# KiCad board chastity.kicad_pcb (continued)
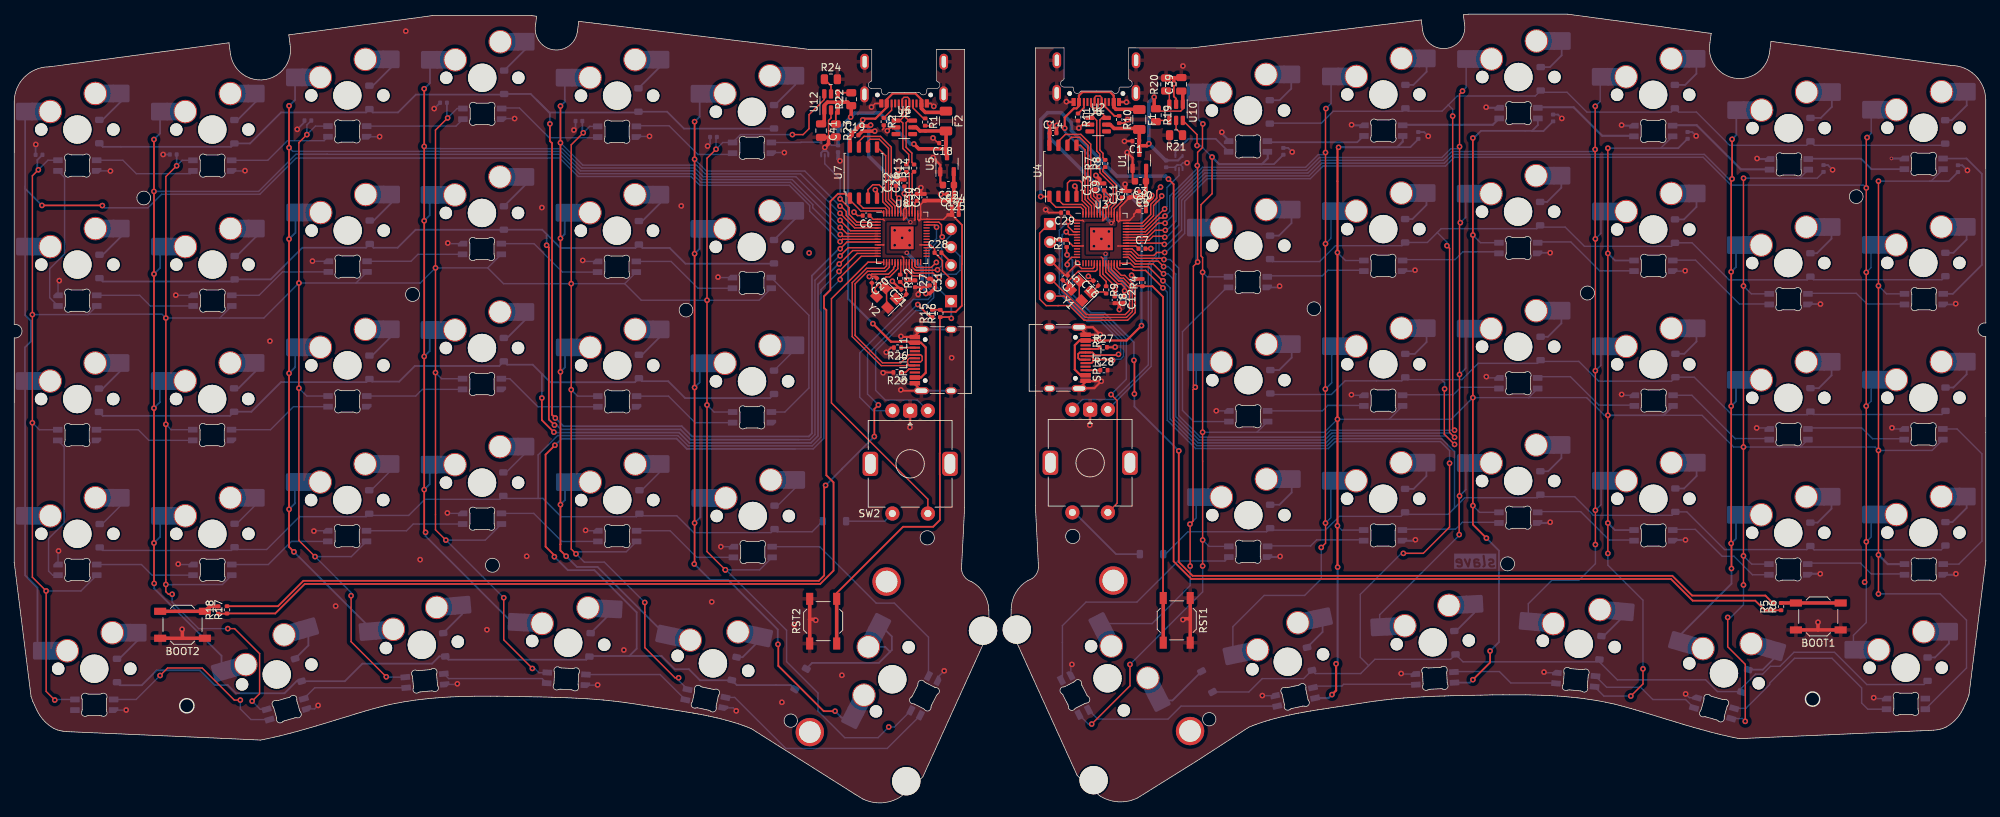
[diagram p0: board, top side]
## Routing (per net, layer and track width the routed paths; a pad name or vN(x,y) marks a point on that pad's centre or on a via; arc(x,y) is an arc through that point) (continued)
D_Split_L+: length 27.1
  Top w0.2: 123.23,76.21 123.23,75.51 122.65,74.93 120.16,74.93 118.4,73.17 118.4,65.89 122.25,62.03 124.83,62.03 125.96,63.16 SPLIT_L1.B6 127.62,63.16 127.85,62.94 127.85,62.39 127.62,62.16 SPLIT_L1.A6
D_Split_L-: length 27.3
  Top w0.2: U8.16 122.83,75.68 122.5,75.35 120.01,75.35 118,73.34 118,65.72 122.09,61.63 126.79,61.63 SPLIT_L1.B7 126.02,61.66 125.8,61.89 125.8,62.44 126.02,62.66 SPLIT_L1.A7
D_Split_R+: length 31.7
  Top w0.2: 149.65,80.1 148.53,80.1 v1(148.13,80.49)
  Top w0.25: 151.91,62.51 151.91,62.77 151.72,62.96 150.86,62.96 SPLIT_R1.A6 ; 151.91,62.51 151.91,62.2 151.7,61.98 SPLIT_R1.B6 ; 151.91,62.51 151.93,62.49 154.56,62.49 v1(154.66,62.4)
  Bottom w0.2: v1(154.66,62.4) 154.78,62.52 155.78,62.52 156.19,62.93 156.19,65.21 153.15,68.25 151.25,68.25 147.55,71.95 147.55,80.06 147.98,80.49 v1(148.13,80.49)
D_Split_R-: length 34
  Top w0.2: v1(148.4,81.92) 148.4,81.22 149.12,80.5 U3.5
  Top w0.25: SPLIT_R1.A7 150.03,62.48 149.81,62.7 149.81,63.27 150.03,63.48 SPLIT_R1.B7 151.83,63.48 152.19,63.12 155.39,63.12 v1(155.49,63.22)
  Bottom w0.2: v1(148.4,81.92) 148.38,81.92 147.15,80.7 147.15,71.79 151.09,67.85 152.98,67.85 155.79,65.04 155.79,63.52 v1(155.49,63.22)
LED_Data_3V3: length 13.1
  Top w0.2: v1(161.98,83.72) 161.94,83.72 159.12,80.9 U3.39
  Bottom w0.2: v1(161.98,83.72) 162.31,84.04 162.31,86.73 164,88.43 U9.2
LED_Data_3V3_L: length 14.2
  Top w0.2: v1(116.29,85.14) 117.55,83.88 117.55,83.56 117.55,83.56 117.55,82.97 118.67,81.85 U8.2
  Bottom w0.2: U11.2 114.13,90.08 116.29,87.92 v1(116.29,85.14)
LED_Data_5V: length 9.6
  Bottom w0.25: U9.4 163.5,91.78 165.32,93.6 169.17,93.6 170.93,91.84 171.05,91.84
LED_Data_5V_L: length 7.2
  Bottom w0.2: 106.65,93.17 106.6,93.12 LED1.3 110.76,93.08 110.8,93.13 U11.4
LED_Pow_5V: length 764.4
  Top w0.2: v1(224.39,92.28) v1(224.39,77.46) v1(224.39,54.64) v1(224.39,39.45) v1(224.39,35.16) ; v1(243.49,88.06) 243.48,88.04 v1(243.48,72.86) v1(243.48,50.16) v1(243.48,34.82) v1(243.48,30.71) ; v1(167.33,33.39) v1(167.33,37.06) 167.33,48.17 ; v1(166.55,92.66) 166.55,94.2 U10.6 ; v1(227.62,15.06) 229.33,16.77 v1(229.33,18.89) ; v1(243.73,11.49) 243.73,19.53 241.26,22 v1(241.26,26.14) ; v1(262.49,87.64) v1(262.49,72.89) v1(262.49,49.68) 262.49,29.46 v1(262.49,29.46) ; v1(168.66,91.03) 168.66,85.87 167.11,84.32 167.11,77.08 167.33,76.86 v1(167.33,74.8) v1(167.33,52.25) 167.33,48.17 ; v1(157.1,19.51) 157.1,16.5 v1(151.71,11.11)
  Top w0.25: v1(207.29,37.32) 205.39,39.22 v1(205.39,41.9) v1(205.39,57.12) v1(205.39,80.04) v1(205.39,93.72) ; v1(207.81,21.41) 207.81,19.79 v1(205.38,17.36)
  Top w0.3: v1(186.47,92.4) 186.32,92.24 v1(186.32,77.58) v1(186.32,54.07) v1(186.32,39.07) 186.32,33.25 v1(186.34,33.23) ; v1(186.13,19.6) 186.13,15.85 v1(185.54,15.26)
  Bottom w0.2: v1(262.49,87.64) 269.89,87.64 LED36.1 ; 232.25,54.64 232.26,54.63 237.65,54.63 242.11,50.16 v1(243.48,50.16) 251.52,50.16 ; LED49.1 168.24,36.15 v1(167.33,37.06) ; v1(167.33,74.8) 167.97,74.15 LED37.1 ; LED47.1 251.52,50.16 ; 251.52,50.16 262.01,50.16 v1(262.49,49.68) 270.03,49.68 LED48.1 ; LED55.1 151.25,11.11 v1(151.71,11.11) ; v1(186.32,39.07) 186.93,38.45 LED50.1 ; 193.6,54.07 202.34,54.07 v1(205.39,57.12) 213.22,57.12 ; 193.6,54.07 v1(186.32,54.07) 184.49,52.25 174.98,52.25 ; 193.6,54.07 LED44.1 ; v1(224.39,54.64) 223.89,54.64 221.41,57.12 213.22,57.12 ; v1(157.1,19.51) 167.33,29.74 v1(167.33,33.39) ; v1(205.39,80.04) 206.47,78.95 LED39.1 ; v1(262.49,72.89) 263.63,71.75 LED42.1 ; LED45.1 213.22,57.12 ; 251.41,88.06 253.87,88.06 C37.2 ; 251.41,88.06 v1(243.49,88.06) ; 251.41,88.06 LED35.1 ; v1(243.48,30.71) 243.48,27.93 241.69,26.14 v1(241.26,26.14) ; LED53.1 244.65,33.65 v1(243.48,34.82) ; v1(262.49,29.46) 271.18,29.46 274.89,25.75 274.89,19.01 LED60.1 ; 174.98,52.25 v1(167.33,52.25) ; 174.98,52.25 LED43.1 ; v1(168.66,91.03) 167.03,92.66 v1(166.55,92.66) ; LED51.1 206.33,40.95 v1(205.39,41.9) ; LED34.1 231.83,92.28 v1(224.39,92.28) ; LED58.1 223.83,15.06 v1(227.62,15.06) ; v1(224.39,35.16) 224.39,33.51 229.33,28.56 v1(229.33,18.89) ; LED41.1 244.59,71.75 v1(243.48,72.86) ; v1(186.32,77.58) 187.44,76.45 LED38.1 ; LED59.1 243.35,11.88 v1(243.73,11.49)
  Bottom w0.25: v1(224.39,77.46) 225.39,76.45 LED40.1 ; LED46.1 232.25,54.64 v1(224.39,54.64) ; 175.68,90.03 177.37,90.03 C34.2 ; 194.72,92.42 196.58,92.42 197.71,93.56 ; 269.72,87.64 272.4,87.64 C38.2 ; v1(205.39,93.72) 205.52,93.72 206.53,94.73 213.72,94.73 ; 213.72,94.73 213.75,94.7 215.32,94.7 C35.2 ; 213.72,94.73 214.53,95.54 LED33.1 ; LED57.1 204.97,16.95 v1(205.38,17.36) ; C36.2 234.3,92.28 231.83,92.28 ; v1(207.29,37.32) 209.06,35.55 209.06,22.65 v1(207.81,21.41) ; v1(224.39,39.45) 225.38,38.45 LED52.1
  Bottom w0.3: v1(168.66,91.03) 169.66,90.03 175.68,90.03 176.5,90.86 176.5,91.84 ; v1(186.13,19.6) 186.34,19.82 v1(186.34,33.23) ; 195.51,94.08 195.51,93.21 194.72,92.42 186.5,92.42 v1(186.47,92.4) ; LED56.1 185.06,14.78 v1(185.54,15.26) ; LED54.1 263.8,33.65 v1(262.49,34.96)
LED_Pow_5V_L: length 772.4
  Top w0.2: v1(5.71,14.5) 4.49,15.71 v1(4.49,29.88) 2.56,31.81 v1(2.56,53.58) v1(2.56,68.83) 2.56,88.4 v1(3.4,89.24) ; v1(79.1,35.1) 78.43,35.78 v1(78.43,58.24) v1(78.43,73.18) 78.43,92.76 v1(80.12,94.45) ; v1(30.07,24.56) 31.03,24.56 34.55,21.04 34.55,15.39 v1(33.5,14.34) ; v1(93.55,17.63) 93.04,17.63 88.8,21.87 88.8,28.23 v1(88.78,28.25) ; v1(42.36,34.72) 40.09,36.98 v1(40.09,58.45) v1(40.09,73.28) 40.09,93.08 v1(41.21,94.2) ; v1(72.96,18.95) 68.93,22.98 v1(68.93,28.92) ; v1(61.03,96.55) 59.32,94.83 v1(59.32,75.41) v1(59.32,60.65) 59.32,38.49 v1(60.77,37.04) ; U12.6 114.06,99.14 111.92,97 111.92,95.03 111.08,94.2 v1(109.57,94.2) ; v1(52.39,17.77) 47.43,22.72 v1(47.43,29.2) ; v1(22.24,29.41) 21.71,29.41 21.35,29.77 v1(21.35,30.79) v1(21.35,53.36) v1(21.35,68.35) 21.35,88.28 v1(22.87,89.8) ; v1(98.82,92.13) 97.55,90.87 v1(97.55,70.85) v1(97.55,56.09) 97.55,35.42 v1(100.12,32.85)
  Bottom w0.2: 44.18,95.39 42.41,95.39 v1(41.21,94.2) 41.21,95.56 C44.2 ; v1(47.43,29.2) 47.43,29.64 v1(42.36,34.72) 47.47,34.72 LED22.1 ; LED7.1 104.89,70.85 v1(97.55,70.85) 88.29,70.85 85.96,73.18 ; LED6.1 4.75,90.58 v1(3.4,89.24) ; 44.19,57.34 41.2,57.34 v1(40.09,58.45) ; v1(21.35,30.79) 21.38,30.76 22.21,30.76 22.22,30.77 29.31,30.77 LED23.1 ; v1(21.35,53.36) 22.11,52.6 LED17.1 ; LED25.1 123.93,10.7 v1(123.14,10.7) 121.63,9.19 116.94,9.19 113.17,12.95 113.17,15.49 108.75,19.9 108.75,24.32 100.22,32.85 v1(100.12,32.85) 104.96,32.85 LED19.1 ; v1(72.96,18.95) 73.28,18.95 73.89,18.34 75.02,18.34 LED27.1 ; v1(2.56,53.58) 3.54,52.59 LED18.1 ; LED12.1 10.46,68.89 ; 10.46,68.89 10.4,68.83 v1(2.56,68.83) ; 10.46,68.89 20.81,68.89 v1(21.35,68.35) 28.94,68.35 ; LED21.1 66.33,37.04 v1(60.77,37.04) 60.81,37.04 v1(68.93,28.92) ; LED11.1 28.94,68.35 ; 28.94,68.35 35.16,68.35 v1(40.09,73.28) 48.12,73.28 ; v1(61.03,96.55) 62.36,97.87 63.18,97.87 ; v1(33.5,14.34) 34.65,13.19 LED29.1 ; v1(78.43,58.24) 79.34,57.33 82.18,57.33 ; LED26.1 93.55,17.26 v1(93.55,17.63) ; LED9.1 66.67,75.41 ; 66.67,75.41 68.9,73.18 v1(78.43,73.18) 85.96,73.18 ; 66.67,75.41 v1(59.32,75.41) 57.18,73.28 48.12,73.28 ; LED20.1 86.17,35.39 79.39,35.39 v1(79.1,35.1) 80.27,33.93 83.1,33.93 v1(88.78,28.25) ; LED24.1 9.4,29.88 v1(4.49,29.88) ; v1(109.57,94.2) 102.26,94.2 LED1.1 99.77,93.08 v1(98.82,92.13) 98.82,93.74 C48.2 ; v1(59.32,60.65) 60.18,59.79 LED15.1 ; v1(97.55,56.09) 98.54,55.09 LED13.1 ; 48.12,73.28 LED10.1 ; 87.59,74.82 85.96,73.18 ; LED2.1 81.02,95.35 v1(80.12,94.45) ; v1(30.07,24.56) 25.96,24.56 22.24,28.28 v1(22.24,29.41) ; LED28.1 52.44,17.72 v1(52.39,17.77) ; 8.55,14.58 5.79,14.58 v1(5.71,14.5) ; LED5.1 23.64,90.57 v1(22.87,89.8)
  Bottom w0.25: v1(3.4,89.24) 3.26,89.38 3.26,90.62 3.98,91.34 C46.2 ; v1(22.87,89.8) 22.87,91.39 22.87,91.39 ; v1(61.03,96.55) 60.93,96.65 C43.2 ; 79.99,96.11 79.99,94.58 v1(80.12,94.45)
Q_CLK: length 14.3
  Top w0.2: U4.6 148.3,93.25 148.87,93.82 150.03,93.82 151.18,92.68 151.18,85.22 152.09,84.31 U3.52
Q_CLK_L: length 13.9
  Top w0.2: U7.6 120.21,93.24 120.52,93.54 121.81,93.54 123.1,92.26 123.1,85.04 124.03,84.12 U8.52
Q_IO0: length 11
  Top w0.2: U4.5 150.14,92.69 150.78,92.06 150.78,85.06 151.69,84.15 U3.53
Q_IO0_L: length 10.2
  Top w0.2: 123.63,83.09 123.63,83.95 122.7,84.88 122.7,91.22 U7.5
Q_IO1: length 5.7
  Top w0.2: U4.2 147.03,85 147.68,84.35 150.35,84.35 150.89,83.82 U3.55
Q_IO1_L: length 5.6
  Top w0.2: U8.55 122.83,83.62 122.62,83.83 119.56,83.83 118.94,84.44 U7.2
Q_IO2: length 9
  Top w0.2: U3.54 151.29,83.98 150.38,84.89 150.38,87.36 150.02,87.72 148.66,87.72 148.3,87.35 U4.3
Q_IO2_L: length 7.7
  Top w0.2: U7.3 120.21,86.44 120.89,87.12 121.79,87.12 122.29,86.62 122.29,84.72 123.23,83.79 123.23,83.09
Q_IO3: length 16.4
  Top w0.2: U4.7 147.03,93.25 148,94.22 150.2,94.22 151.58,92.84 151.58,85.39 152.49,84.48 U3.51
Q_IO3_L: length 16
  Top w0.2: U7.7 118.94,93.24 119.65,93.94 121.98,93.94 123.5,92.42 123.5,85.21 124.43,84.28 U8.51
Q_SEL: length 184.1
  Top w0.2: U4.1 145.76,84.89 146.7,83.95 150.19,83.95 150.49,83.65 U3.56
  Top w0.25: v1(144.53,85.46) 145.73,85.46 U4.1 ; v1(162.52,87.93) 163.25,87.21 163.25,34.05 165.74,31.56 233.28,31.56 236.34,28.5 245.14,28.5 246.5,27.14 R5.1 247.64,27.15 R6.1
  Bottom w0.5: v1(162.52,87.93) 162.1,88.35 155.27,88.35 148.86,94.76 148.86,95.86 147.42,97.29 145.51,97.29 144.53,96.31 v1(144.53,85.46)
Q_SEL_L: length 151.4
  Top w0.2: U7.1 117.67,84.97 119.21,83.43 122.09,83.43 U8.56
  Top w0.25: U7.1 117.05,85.86 115.99,85.86 114.91,84.78 114.91,72.28 114.02,71.39 114.02,69.79 114.35,69.46 114.35,46.18 115.36,45.18 115.36,32.74 113.48,30.85 40.91,30.85 36.75,26.7 R17.1 29.94,26.68 R18.1
RESET: length 88.2
  Top w0.2: 145.84,81.59 145.67,81.59 144.38,80.3 144.38,71.01 145.3,70.09 146.99,70.09 146.99,70.1 148.58,70.1 150.65,68.03 156.77,68.03 157.84,69.1 157.84,72.87 ; 157.84,72.87 156.36,74.35 155.88,74.35 154.89,75.34 U3.26 ; 157.84,72.87 158.79,72.87 R4.1
  Top w0.25: R4.1 160.26,72.82 161.76,71.32 161.76,28.9 RST1.2
  Top w0.5: RST1.2 RST1.2
RESET_L: length 69.3
  Top w0.2: v1(129.84,76.19) 129.12,75.48 127.03,75.48 126.83,75.68 U8.26
  Top w0.25: v1(131.95,68.3) 131.78,68.47 R16.1 130.34,68.42 130.34,49.32 130.32,49.3 130.32,46.28 130.34,46.26 130.34,39.87 129.39,38.92 125.16,38.92 115.83,29.59 115.83,28.78 RST2.2
  Top w0.5: RST2.2 RST2.2
  Bottom w0.2: v1(129.84,76.19) 129.27,75.62 129.27,73.35 J8.1
  Bottom w0.25: J8.1 131.95,70.67 v1(131.95,68.3)
rot A: length 41
  Top w0.2: v1(161.57,85.55) 161.57,85.36 160.42,84.21 160.42,82.77 158.95,81.3 U3.40
  Bottom w0.2: v1(161.57,85.55) 161.57,85.33 161.18,84.94 161.18,76.91 160.09,75.82 160.09,61.53 SW1.A
rot A_L: length 39
  Top w0.2: U8.41 130.19,81.85 130.57,81.48 130.57,79.88 v1(130.67,79.78)
  Bottom w0.2: v1(130.67,79.78) 128.79,77.9 128.79,73.18 129.46,72.51 129.46,71.21 127.66,69.42 127,69.42 121.29,63.71 121.29,58.15 122.66,56.78 127.16,56.78 SW2.A
rot B: length 47.5
  Top w0.2: v1(161.41,86.8) 160.87,86.27 160.87,85.22 160.02,84.37 160.02,82.93 158.79,81.7 U3.41
  Bottom w0.2: v1(161.41,86.8) 160.87,86.27 160.87,85.33 160.78,85.23 160.78,77.07 159.69,75.98 159.69,61.73 154.81,56.86 150.42,56.86 SW1.B
rot B_L: length 37.1
  Top w0.2: v1(129.87,81.15) 129.57,81.45 U8.40
  Bottom w0.2: v1(129.87,81.15) 129.87,79.54 128.39,78.06 128.39,72.93 129.06,72.26 129.06,71.38 128.65,70.97 126.6,70.97 119.05,63.42 119.05,57.18 120.94,55.29 SW2.B
row 0: length 217.5
  Top w0.2: v1(202.8,52.52) 202.54,52.79 v1(202.54,96.81) ; v1(161.89,76.59) 161.72,76.76 158.16,76.76 157.22,77.7 U3.31
  Bottom w0.2: 201.92,98.38 202.54,97.76 v1(202.54,96.81) ; 201.92,98.38 201.06,97.51 196.28,97.51 D5.1 195.47,97.49 185.72,97.49 184.04,95.81 176.86,95.81 D6.1 ; 201.92,98.38 203.18,99.64 214.16,99.64 D4.1 215.19,100.16 218.64,100.16 221.44,97.37 233.29,97.37 D3.1 234.36,97.37 236.86,97.37 241.54,92.69 252.36,92.69 252.91,93.25 253.47,92.69 271.65,92.69 D1.1 ; v1(161.89,76.59) 162.75,76.59 163.95,75.38 163.95,54.6 167,51.55 184.35,51.55 185.33,52.52 v1(202.8,52.52)
row 0_L: length 217.4
  Top w0.2: v1(116.3,78.11) 117.25,79.05 U8.9
  Top w0.25: v1(75.43,95.71) 75.43,93.29 75.73,92.99 75.73,54.7 v1(76.19,54.24)
  Bottom w0.25: D33.1 106.96,95.05 94.31,95.05 91.93,97.42 87.89,97.42 87.78,97.32 75.33,97.32 73.65,99 ; 73.65,99 72.73,99.92 D35.1 68.89,99.84 56.55,99.84 54.04,97.32 50.48,97.32 D36.1 49.54,97.32 37.57,97.32 33.2,92.95 D37.1 30.52,92.48 12.48,92.48 D38.1 ; 73.65,99 75.43,97.22 v1(75.43,95.71) ; v1(116.3,78.11) 116.12,78.11 112.32,74.31 112.32,52.08 111.88,51.65 95.44,51.65 93.99,53.09 77.34,53.09 v1(76.19,54.24)
row 1: length 200.9
  Top w0.2: v1(161.84,75.59) 161.07,76.36 157.99,76.36 157.06,77.3 U3.30 ; v1(202.8,51.53) 202.1,52.23 202.1,78.17 v1(201.73,78.54)
  Bottom w0.2: v1(202.8,51.53) 202.2,52.12 185.52,52.12 184.54,51.15 166.84,51.15 163.55,54.43 163.55,74.54 162.5,75.59 v1(161.84,75.59) ; 200.38,80.4 201.73,79.04 v1(201.73,78.54) ; 200.38,80.4 200.92,80.94 214.38,80.94 D10.1 215.1,81.16 218.39,81.16 221.09,78.45 233.35,78.45 233.84,78.95 236.24,78.95 241.46,73.72 252.45,73.72 D8.1 253.34,73.74 271.42,73.74 D7.1 ; 200.38,80.4 198.97,78.99 D11.1 195.39,78.54 186.04,78.54 183.81,76.3 177.18,76.3 176.83,76.65
row 1_L: length 198.7
  Top w0.2: U8.11 117.44,78.25 v1(116.29,77.11)
  Top w0.25: v1(74.96,78.6) 75.28,78.29 75.28,54.04 v1(76.07,53.25)
  Bottom w0.2: 110.43,51.2 112.04,51.2 112.75,51.91 112.75,73.66 116.19,77.11 v1(116.29,77.11)
  Bottom w0.25: 75.07,80.06 74.34,80.79 D41.1 68.94,80.79 56.52,80.79 53.98,78.25 50.59,78.25 D42.1 49.52,78.25 40.57,78.25 36.11,73.79 D43.1 30.74,73.49 12.47,73.49 D44.1 ; 75.07,80.06 74.96,79.96 v1(74.96,78.6) ; 75.07,80.06 76.91,78.22 87.46,78.22 87.96,78.71 88.45,78.22 92.29,78.22 94.51,76.01 106.94,76.01 D39.1 ; 110.43,51.2 95.25,51.2 93.81,52.64 76.99,52.64 76.39,53.25 v1(76.07,53.25)
row 2: length 181
  Top w0.2: v1(201.4,58.35) 201.36,58.31 201.36,51.96 v1(202.8,50.53) ; v1(161.83,74.59) 161.73,74.59 160.36,75.96 157.83,75.96 156.89,76.9 U3.29
  Bottom w0.2: 200.96,59.66 203.84,59.66 206.14,61.96 214.47,61.96 D16.1 215.09,62.23 220.3,62.23 223.09,59.44 233.35,59.44 233.91,60 236.56,60 241.84,54.72 252.48,54.72 D14.1 253.32,54.74 271.42,54.74 D13.1 ; 200.96,59.66 201.4,59.22 v1(201.4,58.35) ; 200.96,59.66 196.19,59.66 D17.1 195.37,59.49 191.8,59.49 191.8,59.49 187.39,59.49 185.47,57.56 177.01,57.56 D18.1 ; v1(161.83,74.59) 162.45,74.59 163.15,73.88 163.15,54.27 166.67,50.75 184.7,50.75 185.68,51.72 201.6,51.72 v1(202.8,50.53)
row 2_L: length 180.5
  Top w0.2: U8.12 118.06,77.85 v1(116.17,75.96)
  Top w0.25: v1(75.99,52.26) 74.3,53.95 v1(74.3,57.07)
  Bottom w0.25: v1(116.17,75.96) 116.05,75.96 113.17,73.08 113.17,51.73 112.19,50.75 95.07,50.75 93.62,52.19 76.23,52.19 76.17,52.26 v1(75.99,52.26) ; 74.36,60.41 75.48,59.29 87.4,59.29 D46.1 88.38,59.44 92.08,59.44 94.47,57.06 106.4,57.06 D45.1 ; 74.36,60.41 73.01,61.77 69.4,61.77 D47.1 68.29,61.58 56.41,61.58 54.21,59.38 50.39,59.38 D48.1 49.57,59.31 37.56,59.31 33.39,55.14 D49.1 30.38,54.55 12.48,54.55 D50.1 ; 74.36,60.41 74.3,60.35 v1(74.3,57.07)
row 3: length 196.1
  Top w0.2: v1(161.76,73.59) 161.69,73.59 159.73,75.56 157.66,75.56 157.16,76.06 U3.28
  Bottom w0.2: v1(161.76,73.59) 162.75,72.6 162.75,54.1 166.51,50.35 184.87,50.35 185.85,51.32 200.99,51.32 202.8,49.52 202.8,41.62 202.83,41.6 ; 202.83,41.6 201.9,40.67 196.13,40.67 D23.1 195.27,40.39 186.57,40.39 184.63,38.45 177.11,38.45 D24.1 176.33,38.22 165.25,38.22 162.09,35.06 D31.1 ; 202.83,41.6 204.24,43.01 214.45,43.01 D22.1 215.16,43.16 219.72,43.16 222.36,40.53 231.08,40.53 231.09,40.54 233.42,40.54 D21.1 235.51,41.02 240.83,35.7 252.4,35.7 D20.1 253.44,35.66 271.31,35.66 D19.1
row 3_L: length 188.2
  Top w0.2: U8.13 118.68,77.45 v1(116.14,74.9)
  Bottom w0.2: D57.1 12.46,35.58 30.57,35.58 D56.1 31.35,35.71 35.55,35.71 40.17,40.34 49.56,40.34 D55.1 50.23,40.51 55.55,40.51 57.82,42.79 68.38,42.79 D54.1 69.23,42.91 73.77,42.91 ; 73.77,42.91 73.77,49.04 76.5,51.77 93.44,51.77 94.89,50.32 112.36,50.32 113.6,51.56 113.6,72.35 116.14,74.89 v1(116.14,74.9) ; 73.77,42.91 74.45,42.91 77.02,40.34 87.61,40.34 D53.1 88.33,40.46 93.3,40.46 95.66,38.1 106.56,38.1 D52.1 107.44,38.21 112.35,38.21 D51.1
row 4: length 218.3
  Top w0.2: 157.59,75.07 157.61,75.05 159.29,75.05 v1(161.75,72.6) ; 157.59,75.07 157.59,75.07 157.37,75.28 155.53,75.28 155.29,75.53 U3.27 ; 157.59,75.07 157.69,75.07 ; v1(202.1,47.88) 202.1,38.88 198.4,35.18 v1(195.6,35.18)
  Bottom w0.2: D30.1 173.84,15.63 175.72,17.51 181.55,17.51 D29.1 183.19,18.23 189.58,18.23 190.7,19.35 ; v1(202.1,47.88) 202.1,49.65 200.83,50.92 194.97,50.92 ; 190.7,19.35 191.59,20.24 202.24,20.24 D28.1 203.99,19.89 222.87,19.89 D27.1 223.2,19.87 225.73,17.34 238.17,17.34 239.82,15.69 243.13,15.69 D26.1 ; 190.7,19.35 189.53,20.52 189.53,29.39 195.32,35.18 v1(195.6,35.18) ; v1(161.75,72.6) 162.35,71.99 162.35,53.93 166.34,49.95 185.03,49.95 186.01,50.92 194.95,50.92 ; D26.1 243.2,15.36 243.23,15.32 ; D26.1 243.2,16.17 245.18,18.15 246.19,18.15 247.29,19.25 248.62,19.25 250.6,21.23 256.3,21.23 260.85,16.68 268.89,16.68 D25.1
row 4_L: length 210.4
  Top w0.2: U8.14 119.27,77.05 116.3,74.08 v1(116.3,73.77)
  Top w0.25: v1(76.06,34.7) 76.06,34.88 74.81,36.12 74.81,49.09 v1(76.13,50.41)
  Bottom w0.2: v1(116.3,73.77) 114,71.47 114,51.39 112.5,49.9 109.67,49.9
  Bottom w0.25: v1(76.06,34.7) 77.95,32.8 81.7,32.8 87.64,26.85 87.64,21.74 86.61,20.7 ; D63.1 14.9,16.58 17.96,16.58 20.06,18.68 26.14,18.68 28.22,16.6 30.07,16.6 31.22,15.45 38.06,15.45 39.76,17.15 D62.1 46.55,17.15 49.03,19.63 58.83,19.63 59.85,20.65 D61.1 61.15,20.19 80.55,20.19 D60.1 81.07,20.7 86.61,20.7 ; 86.61,20.7 91.15,20.7 93,18.84 94.99,18.84 96.55,17.28 101.01,17.28 D59.1 101.74,16.6 109.33,16.6 D58.1 ; 109.94,49.9 94.72,49.9 93.27,51.34 77.08,51.34 76.15,50.41 v1(76.13,50.41)
SK6803_EN: length 2.1
  Top w0.2: U10.3 162.64,99.9 R20.1
SK6803_EN_L: length 2.1
  Top w0.2: 115.95,97.65 115.96,97.66
  Top w0.25: 115.96,97.66 115.69,97.39 R23.1
SK6803_NFAULT: length 2
  Top w0.2: U10.4 160.93,96.2 R19.2
SK6803_NFAULT_L: length 2
  Top w0.25: R22.2 116.12,100.1 115.96,99.93
Split_5v5_L: length 125.5
  Top w0.3: J2.A4 127.74,99.14 126.89,99.99 123.7,99.99 122.84,99.14 J2.A9 122.84,98.02 121.26,96.44 119.64,96.44 v1(119.47,96.27) ; SPLIT_R1.A9 150.14,60.28 149.34,61.08 149.34,64.52 150,65.18 SPLIT_R1.A4 156.64,65.18 v1(158.73,67.27) ; v1(147.92,95.1) 147.92,96.6 149.2,97.89 149.58,97.89 149.91,98.23 J6.A9 149.91,99.7 150.41,100.2 154.32,100.2 154.81,99.7 J6.A4 ; SPLIT_L1.A4 127.68,59.96 128.35,60.63 128.35,64.2 127.68,64.86 SPLIT_L1.A9 126.1,64.86 125.96,65 123.46,65 v1(120.91,67.55)
  Top w0.5: J2.A4 127.74,97.88 128.3,97.33 131.01,97.33 F2.1 ; J6.A4 154.81,98.08 155.14,97.76 158.38,97.76 158.42,97.72
  Bottom w0.3: v1(119.47,96.27) 117.42,94.22 117.42,71.04 v1(120.91,67.55) ; v1(147.92,95.1) 147.92,94.64 158.73,83.83 v1(158.73,67.27)
SWC: length 21.7
  Top w0.2: 145.84,73.97 150.98,68.83 156.44,68.83 157.04,69.43 157.04,72.54 156.03,73.55 155.55,73.55 154.09,75.01 U3.24
SWC_L: length 12.7
  Top w0.2: v1(130.25,74.08) 129.98,74.08 129.38,74.68 126.7,74.68 126.03,75.35 U8.24
  Bottom w0.2: v1(130.25,74.08) 130.66,74.5 132.61,74.5 133.18,75.07 133.18,77.06 J8.4
SWD: length 21.5
  Top w0.2: 145.84,71.43 147.81,71.43 150.81,68.43 156.61,68.43 157.44,69.27 157.44,72.71 156.2,73.95 155.71,73.95 154.49,75.18 U3.25
SWD_L: length 11
  Top w0.2: v1(130,75.14) 129.93,75.08 126.87,75.08 126.43,75.51 U8.25
  Bottom w0.2: v1(130,75.14) 130.6,75.74 130.6,78.72 131.91,80.02 J8.5
XIN: length 8.8
  Top w0.2: C15.2 148.75,72.58 Y1.3 148.34,72.78 148.34,73.45 149.81,74.92 152.24,74.92 152.49,75.17 U3.20
XIN_L: length 8.7
  Top w0.2: C20.2 120.77,72.03 Y2.3 121.21,71.59 121.21,72.6 122.75,74.13 123.27,74.13 124.43,75.29 U8.20
XOUT: length 3.6
  Top w0.2: R9.1 153.74,73.51 152.89,74.37 U3.21
XOUT_L: length 1.8
  Top w0.2: U8.21 124.83,74.55 R12.1
Net-(BOOT1-Pad2): length 8.4
  Top w0.5: BOOT1.2 BOOT1.2 248.79,28.18 R6.2
Net-(BOOT2-Pad2): length 8.5
  Top w0.5: BOOT2.2 BOOT2.2 27.54,27.7 R18.2
Net-(C16-Pad1): length 3.8
  Top w0.2: C16.1 151.74,72.01 Y1.1 153.53,72.01 R9.2
Net-(C21-Pad1): length 3.8
  Top w0.2: R12.2 125.54,72.64 125.57,72.64 125.61,72.6 125.61,71.7 C21.1 124.94,71.03 Y2.1
Net-(D1-A): length 5.8
  Bottom w0.25: MX1.2 274.92,98.32 272.83,96.23 D1.2
Net-(D2-A): length 5.7
  Bottom w0.25: MX2.2 255.93,98.1 254.37,96.55 D2.2
Net-(D3-A): length 5.8
  Bottom w0.25: MX3.2 236.86,102.78 235.28,101.2 D3.2
Net-(D4-A): length 5.7
  Bottom w0.25: MX4.2 217.89,105.37 216.24,103.71 D4.2
Net-(D5-A): length 5.6
  Bottom w0.25: MX5.2 198.87,103.06 197.01,101.2 D5.2
Net-(D6-A): length 5.7
  Bottom w0.25: MX6.2 179.81,100.68 178.18,99.04 D6.2
Net-(D7-A): length 5.6
  Bottom w0.25: 274.9,81.19 274.9,79.39 273.04,77.54 271.91,77.54
Net-(D8-A): length 5.5
  Bottom w0.25: 255.88,81.17 255.88,79.53 253.83,77.48 D8.2
Net-(D9-A): length 5.6
  Bottom w0.25: D9.2 235.1,82.25 236.87,84.01 MX9.2
Net-(D10-A): length 5.5
  Bottom w0.25: MX10.2 217.84,86.71 215.84,84.71 D10.2
Net-(D11-A): length 5.4
  Bottom w0.25: D11.2 196.88,82.29 198.85,84.26 198.85,85.84
Net-(D12-A): length 5.7
  Bottom w0.25: D12.2 178.08,79.95 179.85,81.73 MX12.2
Net-(D13-A): length 5.5
  Bottom w0.25: MX13.2 274.91,60.41 273.05,58.55 D13.2
Net-(D14-A): length 5.6
  Bottom w0.25: D14.2 254.09,58.45 255.89,60.25 MX14.2
Net-(D15-A): length 5.5
  Bottom w0.25: D15.2 235.15,63.3 236.87,65.02 MX15.2
Net-(D16-A): length 5.5
  Bottom w0.25: MX16.2 217.85,67.6 215.95,65.7 D16.2
Net-(D17-A): length 5.6
  Bottom w0.25: D17.2 197.2,63.29 198.87,64.96 MX17.2
Net-(D18-A): length 5.6
  Bottom w0.25: D18.2 178.12,61.01 179.87,62.76 MX18.2
Net-(D19-A): length 5.4
  Bottom w0.25: MX19.2 274.91,41.58 272.91,39.58 D19.2
Net-(D20-A): length 5.5
  Bottom w0.25: 255.88,43.15 255.88,41.47 253.92,39.51 D20.2
Net-(D21-A): length 5.6
  Bottom w0.25: D21.2 235.12,44.32 236.89,46.08 MX21.2
Net-(D22-A): length 5.6
  Bottom w0.25: D22.2 215.99,46.74 217.85,48.6 MX22.2
Net-(D23-A): length 5.6
  Bottom w0.25: MX23.2 198.84,46.07 197.03,44.26 D23.2
Net-(D24-A): length 5.6
  Bottom w0.25: D24.2 178.15,42.02 179.87,43.74 MX24.2
Net-(D25-A): length 5.5
  Bottom w0.25: MX25.2 272.42,22.47 270.45,20.5 D25.2
Net-(D26-A): length 5.5
  Bottom w0.25: D26.2 246.21,18.78 247.99,20.56 MX26.2
Net-(D27-A): length 5
  Bottom w0.25: D27.2 223.8,23.51 226.81,26.51 MX27.2
Net-(D28-A): length 5.1
  Bottom w0.25: D28.2 203.02,24.23 205.55,26.76 MX28.2
Net-(D29-A): length 5.1
  Bottom w0.25: D29.2 184.22,24.09 MX29.2
Net-(D30-A): length 7.7
  Bottom w0.25: D30.2 163.09,14.44 MX30.2
Net-(D31-A): length 11.9
  Bottom w0.25: D31.2 155.14,35.06 149.26,40.94 SW1.S1
Net-(D33-A): length 5.4
  Bottom w0.25: D33.2 107.11,98.36 109.97,101.22 MX31.2
Net-(D34-A): length 5.3
  Bottom w0.25: D34.2 90.98,103.81 MX32.2
Net-(D35-A): length 5.3
  Bottom w0.25: MX33.2 72,106.24 D35.2
Net-(D36-A): length 5.2
  Bottom w0.25: MX34.2 53,103.59 50.51,101.1 50.01,101.1
Net-(D37-A): length 5.2
  Bottom w0.25: D37.2 31.44,96.25 33.99,98.8 MX35.2
Net-(D38-A): length 5.2
  Bottom w0.25: D38.2 12.44,96.28 14.98,98.81 MX36.2
Net-(D39-A): length 5.3
  Bottom w0.25: MX37.2 109.95,82.31 D39.2
Net-(D40-A): length 5.2
  Bottom w0.25: D40.2 88.43,82.01 90.96,84.54 MX38.2
Net-(D41-A): length 5.4
  Bottom w0.25: MX39.2 71.95,87.1 D41.2
Net-(D42-A): length 5.2
  Bottom w0.25: D42.2 50.63,82.09 53.05,84.51 MX40.2
Net-(D43-A): length 5.4
  Bottom w0.25: MX41.2 34.01,79.78 31.02,76.79
Net-(D44-A): length 5.2
  Bottom w0.25: MX42.2 14.99,79.77 12.48,77.26 D44.2
Net-(D45-A): length 4.8
  Bottom w0.2: D45.2 109.98,63.93 MX43.2
Net-(D46-A): length 5.1
  Bottom w0.25: D46.2 88.4,63.16 91,65.75 MX44.2
Net-(D47-A): length 5.2
  Bottom w0.25: MX45.2 71.95,68.08 69.41,65.54 D47.2
Net-(D48-A): length 5.2
  Bottom w0.25: D48.2 50.4,63.05 53.01,65.66 MX46.2
Net-(D49-A): length 5.2
  Bottom w0.25: D49.2 31.58,58.44 33.96,60.82 MX47.2
Net-(D50-A): length 5.2
  Bottom w0.25: 14.95,62 14.95,60.89 12.47,58.4 D50.2
Net-(D51-A): length 7
  Bottom w0.2: D51.2 122.56,39.7 SW2.S1
Net-(D52-A): length 5.1
  Bottom w0.2: D52.2 107.48,41.89 110.08,44.5 MX49.2
Net-(D53-A): length 5.1
  Bottom w0.2: D53.2 88.34,44.06 91,46.72 MX50.2
Net-(D54-A): length 5.1
  Bottom w0.2: MX51.2 71.96,49.28 69.26,46.58 D54.2
Net-(D55-A): length 5.1
  Bottom w0.2: MX52.2 52.97,46.79 50.24,44.06 D55.2
Net-(D56-A): length 5.1
  Bottom w0.2: MX53.2 33.99,42.01 31.32,39.34 D56.2
Net-(D57-A): length 5.1
  Bottom w0.2: D57.2 12.39,39.31 14.98,41.9 MX54.2
Net-(D58-A): length 20.8
  Bottom w0.25: 123.32,21.3 123.57,21.55 123.57,23.46 MX55.2 ; 123.32,21.3 121.75,19.73 112.35,19.73 D58.2 ; 123.32,21.3 122.62,21.99 MX55.2
Net-(D59-A): length 4.8
  Bottom w0.25: MX56.2 102.56,20.53 D59.2
Net-(D60-A): length 4.7
  Bottom w0.25: MX57.2 84.35,27.11 D60.2
Net-(D61-A): length 5
  Bottom w0.25: MX58.2 63.02,26.55 D61.2
Net-(D62-A): length 5.1
  Bottom w0.25: MX59.2 41.42,22.19 D62.2
Net-(D63-A): length 5.1
  Bottom w0.25: MX60.2 17.36,22.88 14.79,20.31 D63.2
Net-(J2-CC1): length 3
  Top w0.2: R1.1 128.03,96.48 126.54,97.96 J2.A5
Net-(J2-CC2): length 2.5
  Top w0.2: R2.1 123.54,97.64 J2.B5
Net-(J6-CC1): length 3.2
  Top w0.25: J6.A5 153.61,98.13 154.91,96.83 R10.1
Net-(J6-CC2): length 2
  Top w0.25: R11.1 150.61,97.99 J6.B5
Net-(LED1-DOUT): length 15.4
  Bottom w0.2: 87.58,95.44 92.22,95.44 96.26,91.4 100.93,91.4 101.2,91.67
Net-(LED2-DOUT): length 15.4
  Bottom w0.2: 68.59,97.95 71.14,97.95 75.34,93.75 81.95,93.75 82.13,93.94
Net-(LED3-DOUT): length 14
  Bottom w0.2: 63.18,96.37 62.2,95.39 LED4.3
Net-(LED4-DOUT): length 14.9
  Bottom w0.2: LED5.3 35.7,90.57 38.47,93.34 43.63,93.34 44.18,93.89
Net-(LED5-DOUT): length 14.5
  Bottom w0.2: LED6.3 15.3,90.58 17.2,88.68 24.78,88.68 LED5.2
Net-(LED7-DIN): length 15.1
  Bottom w0.2: LED7.3 96.27,72.54 92.49,76.32 87.59,76.32
Net-(LED8-DIN): length 15.2
  Bottom w0.2: LED9.2 73.19,78.82 77.19,74.82 LED8.3
Net-(LED10-DIN): length 15
  Bottom w0.2: LED10.3 37.77,74.84 34.47,71.54 LED11.2
Net-(LED10-DOUT): length 13.9
  Bottom w0.2: LED10.2 55.87,76.34 56.85,77.32 LED9.3
Net-(LED11-DIN): length 14.2
  Bottom w0.2: LED12.2 17.67,71.54 19.17,70.04 LED11.3
Net-(LED12-DIN): length 20.8
  Bottom w0.2: LED12.3 5,71.22 5,75.29 7.1,77.39 7.1,88.15 LED6.2
Net-(LED13-DIN): length 24.5
  Bottom w0.2: LED7.2 111.9,68.73 111.9,58.48 108.51,55.09 LED13.3
Net-(LED13-DOUT): length 15.1
  Bottom w0.2: LED13.2 95.87,53.59 92.13,57.33 LED14.3
Net-(LED14-DOUT): length 15.2
  Bottom w0.2: 82.18,55.83 73.74,55.83 69.79,59.79 LED15.3
Net-(LED15-DOUT): length 13.9
  Bottom w0.2: LED16.3 56.53,57.34 57.47,58.29 LED15.2
Net-(LED16-DOUT): length 14.9
  Bottom w0.2: 44.19,55.84 39.33,55.84 36.08,52.6 LED17.3
Net-(LED17-DOUT): length 14.2
  Bottom w0.2: LED17.2 18.96,51.1 17.47,52.59 LED18.3
Net-(LED18-DOUT): length 21.3
  Bottom w0.2: LED18.2 7.03,50.2 7.03,39.45 4.85,37.26 4.85,32.66 5.41,32.1 LED24.3
Net-(LED19-DIN): length 15.2
  Bottom w0.2: LED19.3 96.1,34.61 92.36,38.35 LED20.2
Net-(LED19-DOUT): length 32.8
  Bottom w0.2: LED25.3 128.73,23.35 123.93,28.16 121.37,28.16 113.41,36.11 LED19.2
Net-(LED20-DIN): length 15.2
  Bottom w0.2: LED21.2 73.15,40.81 77.11,36.85 LED20.3
Net-(LED21-DIN): length 13.9
  Bottom w0.2: LED21.3 56.19,39.31 55.24,38.36 LED22.2
Net-(LED22-DIN): length 14.9
  Bottom w0.2: LED23.2 35.78,33.6 39.04,36.86 LED22.3
Net-(LED23-DIN): length 14.2
  Bottom w0.2: LED23.3 19.41,32.1 17.91,33.6 LED24.2
Net-(LED25-DOUT): length 32.4
  Bottom w0.2: LED25.2 122.92,7.67 108.64,7.67 101.45,14.87 LED26.3
Net-(LED26-DOUT): length 15.5
  Bottom w0.2: LED27.3 90.94,18.09 LED26.2
Net-(LED27-DOUT): length 15
  Bottom w0.2: LED28.3 61.17,17.52 74.34,17.52 LED27.2
Net-(LED28-DOUT): length 15.1
  Bottom w0.2: LED28.2 42.31,16.23 LED29.3
Net-(LED29-DOUT): length 27.5
  Top w0.2: v1(20.54,17.96) 21.6,19.01 26.47,19.01 30.99,14.49 v1(31.84,14.49)
  Bottom w0.2: v1(20.54,17.96) 17.17,14.58 LED30.3 ; LED29.2 33.33,11.75 31.84,13.23 v1(31.84,14.49)
Net-(LED31-DOUT): length 14
  Bottom w0.25: 190.06,94.08 189.11,93.12 176.72,93.12 176.5,93.34
Net-(LED32-DOUT): length 13.9
  Bottom w0.3: LED33.3 208.19,95.58 195.51,95.58 195.51,95.58
Net-(LED33-DOUT): length 15.2
  Bottom w0.3: LED33.2 214.61,98.05 219.57,98.05 223.6,94.03 227.99,94.03 LED34.3
Net-(LED34-DOUT): length 16.3
  Bottom w0.3: LED35.3 247.11,89.3 243.12,89.3 236.89,95.53 233.58,95.53 LED34.2
Net-(LED35-DOUT): length 14.2
  Bottom w0.25: LED36.3 261.51,89.33 260.03,90.8 252.65,90.8 LED35.2
Net-(LED36-DOUT): length 26.3
  Bottom w0.25: LED36.2 274.89,90.83 277.05,88.67 277.05,75.83 272.97,71.75 LED42.3
Net-(LED37-DIN): length 14
  Bottom w0.2: LED37.3 176.56,74.29 184.17,74.29 184.96,75.08 189.91,75.08 LED38.2
Net-(LED37-DOUT): length 27.3
  Bottom w0.2: LED37.2 170.73,72.65 164.5,66.42 164.5,55.32 166.07,53.75 LED43.3
Net-(LED38-DIN): length 14.2
  Bottom w0.2: LED39.2 208.84,77.68 203.97,77.68 202.87,76.58 195.6,76.58 LED38.3
Net-(LED39-DIN): length 15.3
  Bottom w0.2: LED39.3 214.62,79.07 219.17,79.07 223.24,75 228.03,75 LED40.2
Net-(LED40-DIN): length 16.2
  Bottom w0.2: LED40.3 233.57,76.5 236.73,76.5 242.91,70.33 247.04,70.33 LED41.2
Net-(LED41-DIN): length 14.3
  Bottom w0.2: LED41.3 252.63,71.83 259.37,71.83 260.87,70.33 266.09,70.33 LED42.2
Net-(LED43-DOUT): length 13.9
  Bottom w0.2: LED43.2 184.18,55.25 184.96,56.03 189.96,56.03 LED44.3
Net-(LED44-DOUT): length 14.1
  Bottom w0.2: LED45.3 208.89,58.58 203.67,58.58 202.61,57.52 202.61,57.53 195.55,57.53 LED44.2
Net-(LED45-DOUT): length 15.4
  Bottom w0.2: LED45.2 214.68,60.08 219.12,60.08 223.13,56.06 228.01,56.06 LED46.3
Net-(LED46-DOUT): length 16.2
  Bottom w0.2: LED47.3 246.96,51.35 242.37,51.35 242.34,51.32 236.21,57.45 LED46.2
Net-(LED47-DOUT): length 14.3
  Bottom w0.2: LED47.2 252.7,52.85 260.14,52.85 261.66,51.33 265.99,51.33 LED48.3
Net-(LED48-DOUT): length 26
  Bottom w0.2: LED54.3 273.81,33.65 277.06,36.9 277.06,49.2 273.56,52.7 LED48.2
Net-(LED49-DIN): length 14
  Bottom w0.2: LED49.3 176.55,36.23 182.53,36.23 182.53,36.22 183.39,37.08 189.89,37.08 LED50.2
Net-(LED49-DOUT): length 35.2
  Bottom w0.2: LED55.3 147.59,17.44 147.59,22.6 147.59,22.6 147.59,24.98 150.91,28.3 158.07,28.3 163.87,34.09 170.46,34.09 LED49.2
Net-(LED50-DIN): length 14.1
  Bottom w0.2: LED50.3 195.58,38.58 202.93,38.58 203.91,39.55 208.96,39.55 LED51.2
Net-(LED51-DIN): length 15.3
  Bottom w0.2: LED51.3 214.6,41.05 220.56,41.05 224.56,37.05 228.08,37.05
Net-(LED52-DIN): length 16.2
  Bottom w0.2: LED53.2 244.75,32.15 242.14,34.76 240.5,34.76 236.71,38.55 233.53,38.55
Net-(LED53-DIN): length 14.4
  Bottom w0.2: LED54.2 266.04,32.27 261.48,32.27 259.96,33.8 252.67,33.8 LED53.3
Net-(LED55-DOUT): length 27.9
  Bottom w0.2: LED55.2 152.56,11.81 162.46,11.81 164.3,13.64 LED56.3
Net-(LED56-DOUT): length 14.7
  Bottom w0.2: LED57.3 197.29,16.72 187.19,16.72 186.93,16.46 183.07,16.46 LED56.2
Net-(LED57-DOUT): length 15.1
  Bottom w0.2: LED57.2 202.78,18.51 209.12,18.51 210.72,16.9 217.03,16.9 LED58.3
Net-(LED58-DOUT): length 15.7
  Bottom w0.2: LED58.2 224.22,16.3 229,16.3 230.72,14.57 235.34,14.57 LED59.3
Net-(LED59-DOUT): length 28.7
  Bottom w0.2: LED60.3 260.99,13.2 260.12,14.07 260.12,16.21 255.95,20.38 250.68,20.38 247.17,16.88 247.17,16.68 243.82,13.32 LED59.2
Net-(R3-Pad1): length 138.1
  Top w0.25: R5.2 246.57,29.23 236.25,29.23 233.47,32.01 165.92,32.01 163.98,33.96 v1(163.98,49.62) ; R3.1 148.2,77.31 v1(148.25,77.26) ; v1(157.73,57.65) 157.73,62.23 157.66,62.3 v1(157.66,62.38)
  Bottom w0.25: v1(148.25,77.26) 149,76.51 149,71.67 151.59,69.08 153.49,69.08 157.66,64.91 v1(157.66,62.38) ; v1(163.98,49.62) 157.73,55.87 v1(157.73,57.65)
Net-(R15-Pad1): length 133.6
  Top w0.25: v1(114.24,44.76) 114.04,44.56 114.04,32.06 113.29,31.3 40.72,31.3 37.14,27.72 R17.2 ; v1(127.23,70.24) 128.98,68.49 R15.1 ; v1(121.68,56.09) 121.11,55.52 v1(121.11,51.64)
  Bottom w0.2: v1(121.68,56.09) 120.15,57.62 120.15,63.24 127.15,70.24 v1(127.23,70.24)
  Bottom w0.25: v1(121.11,51.64) 116.58,47.11 116.58,47.09 v1(114.24,44.76)
Net-(SPLIT_L1-CC1): length 2.2
  Top w0.25: SPLIT_L1.A5 125.99,61.16 125.51,60.68 R25.1
Net-(SPLIT_L1-CC2): length 1.9
  Top w0.25: R26.1 124.9,64.16 SPLIT_L1.B5
Net-(SPLIT_R1-CC1): length 2.1
  Top w0.25: SPLIT_R1.A5 152.6,63.98 R27.1
Net-(SPLIT_R1-CC2): length 2.1
  Top w0.25: SPLIT_R1.B5 152.93,60.98 R28.1
Net-(U3-USB_DM): length 7.9
  Top w0.2: R8.1 153.27,89.28 153.27,89 155.15,87.12 155.15,84.56 154.49,83.89 U3.46
Net-(U3-USB_DP): length 7.9
  Top w0.2: R7.1 152.87,89.27 152.87,88.84 154.75,86.96 154.75,84.73 154.09,84.06 U3.47
Net-(U8-USB_DM): length 6
  Top w0.2: U8.46 126.43,88.69 R14.1
Net-(U8-USB_DP): length 6.1
  Top w0.2: U8.47 126.03,88.68 125.75,88.96 R13.1

## Copper pours and planes (outline as drawn; the poured copper is in the pictures)
+1V1 on Top: 155.09,81.3 151.49,81.3 151.49,77.9 154.09,77.9 154.09,77.1 153.29,77.1 153.29,77.3 150.89,77.3 150.89,81.7 153.69,81.7 153.69,81.9 154.09,81.9 154.09,82.3 155.09,82.3
+1V1 on Top: 127.04,81.45 123.44,81.45 123.44,78.05 126.04,78.05 126.04,77.25 125.24,77.25 125.24,77.45 122.84,77.45 122.84,81.85 125.79,81.86 125.79,82.18 126.03,82.18 126.04,82.45 127.04,82.45
+3V3 on Top: 158.91,85.62 158.86,82.6 158.27,81.89 155.86,81.89 155.89,76.7 150.29,76.7 150.29,82.3 153.09,82.3 153.76,82.41 156.62,85.57
+3V3 on Top: 132.52,85.27 132.48,82.05 127.81,82.04 127.84,76.85 122.24,76.85 122.24,82.45 125.04,82.45 125.91,82.6 128.05,85.27
GND on Top, Bottom: -8.72,105.59 121.45,120.49 283.61,106 278.12,8.37 207.92,-2.16 117.38,-3.05 -7.55,5.22

## Text on the board
Bottom: slave
B.Silkscreen: MX1 | USB BOOT | SWCLK | ~{RESET}
F.Silkscreen: JLCJLCJLCJLC | USB BOOT | SWCLK | ~{RESET}
